# Altium PCB 船驱动板.PcbDoc
Units mil, origin at the board's own origin, x right, y up, seen from the top; angles counter-clockwise.
Board outline 3858.27 x 3858.27 mil, 2 copper layers (Top Layer, Bottom Layer); 37 components, 44 nets, 143 pads, 13 vias.
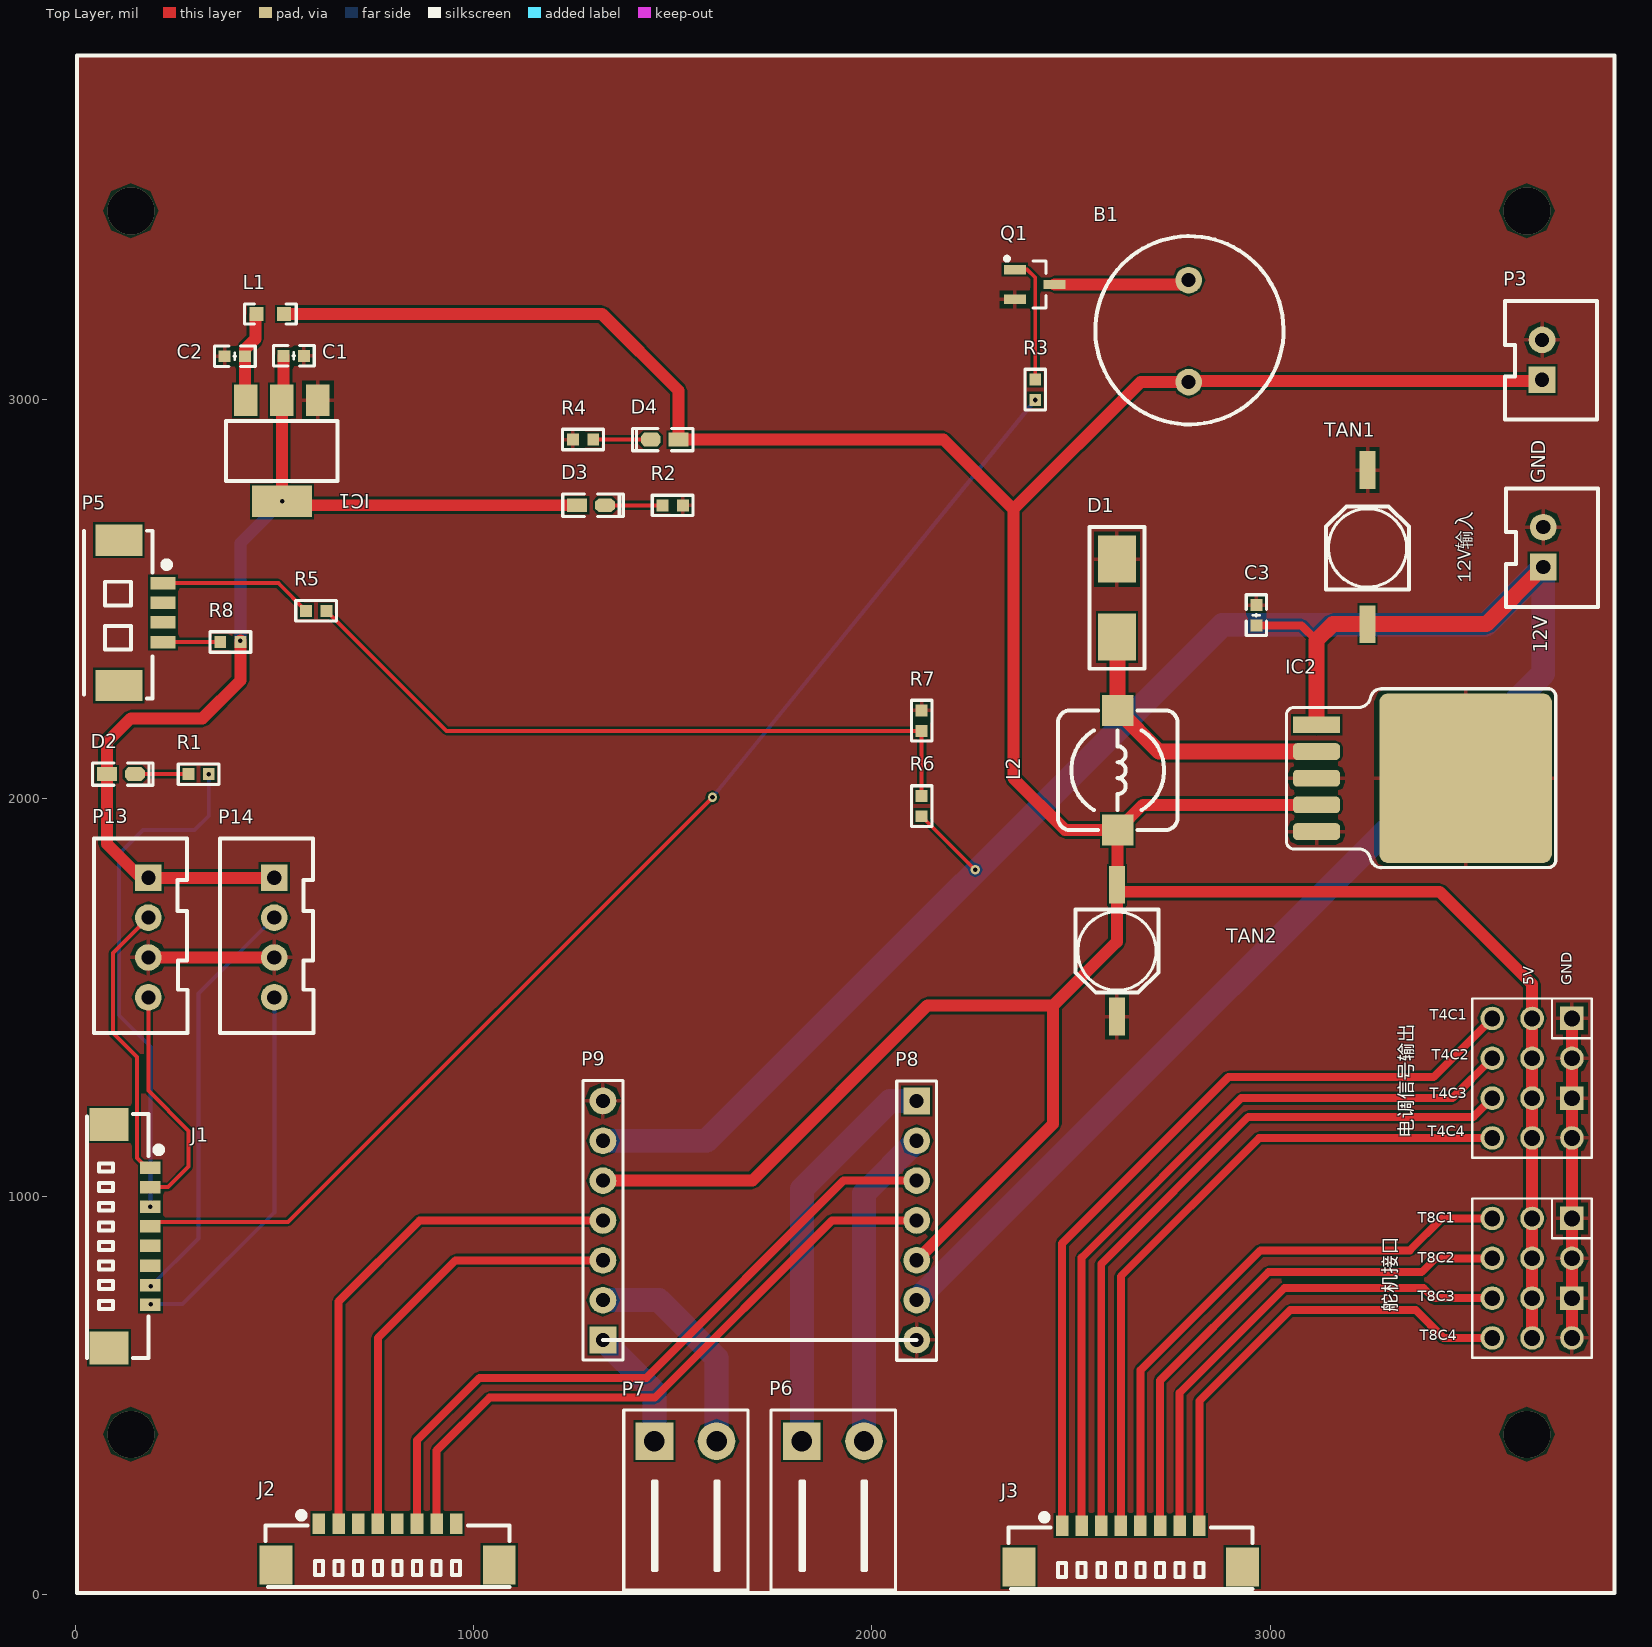
[diagram p0: Top Layer view]
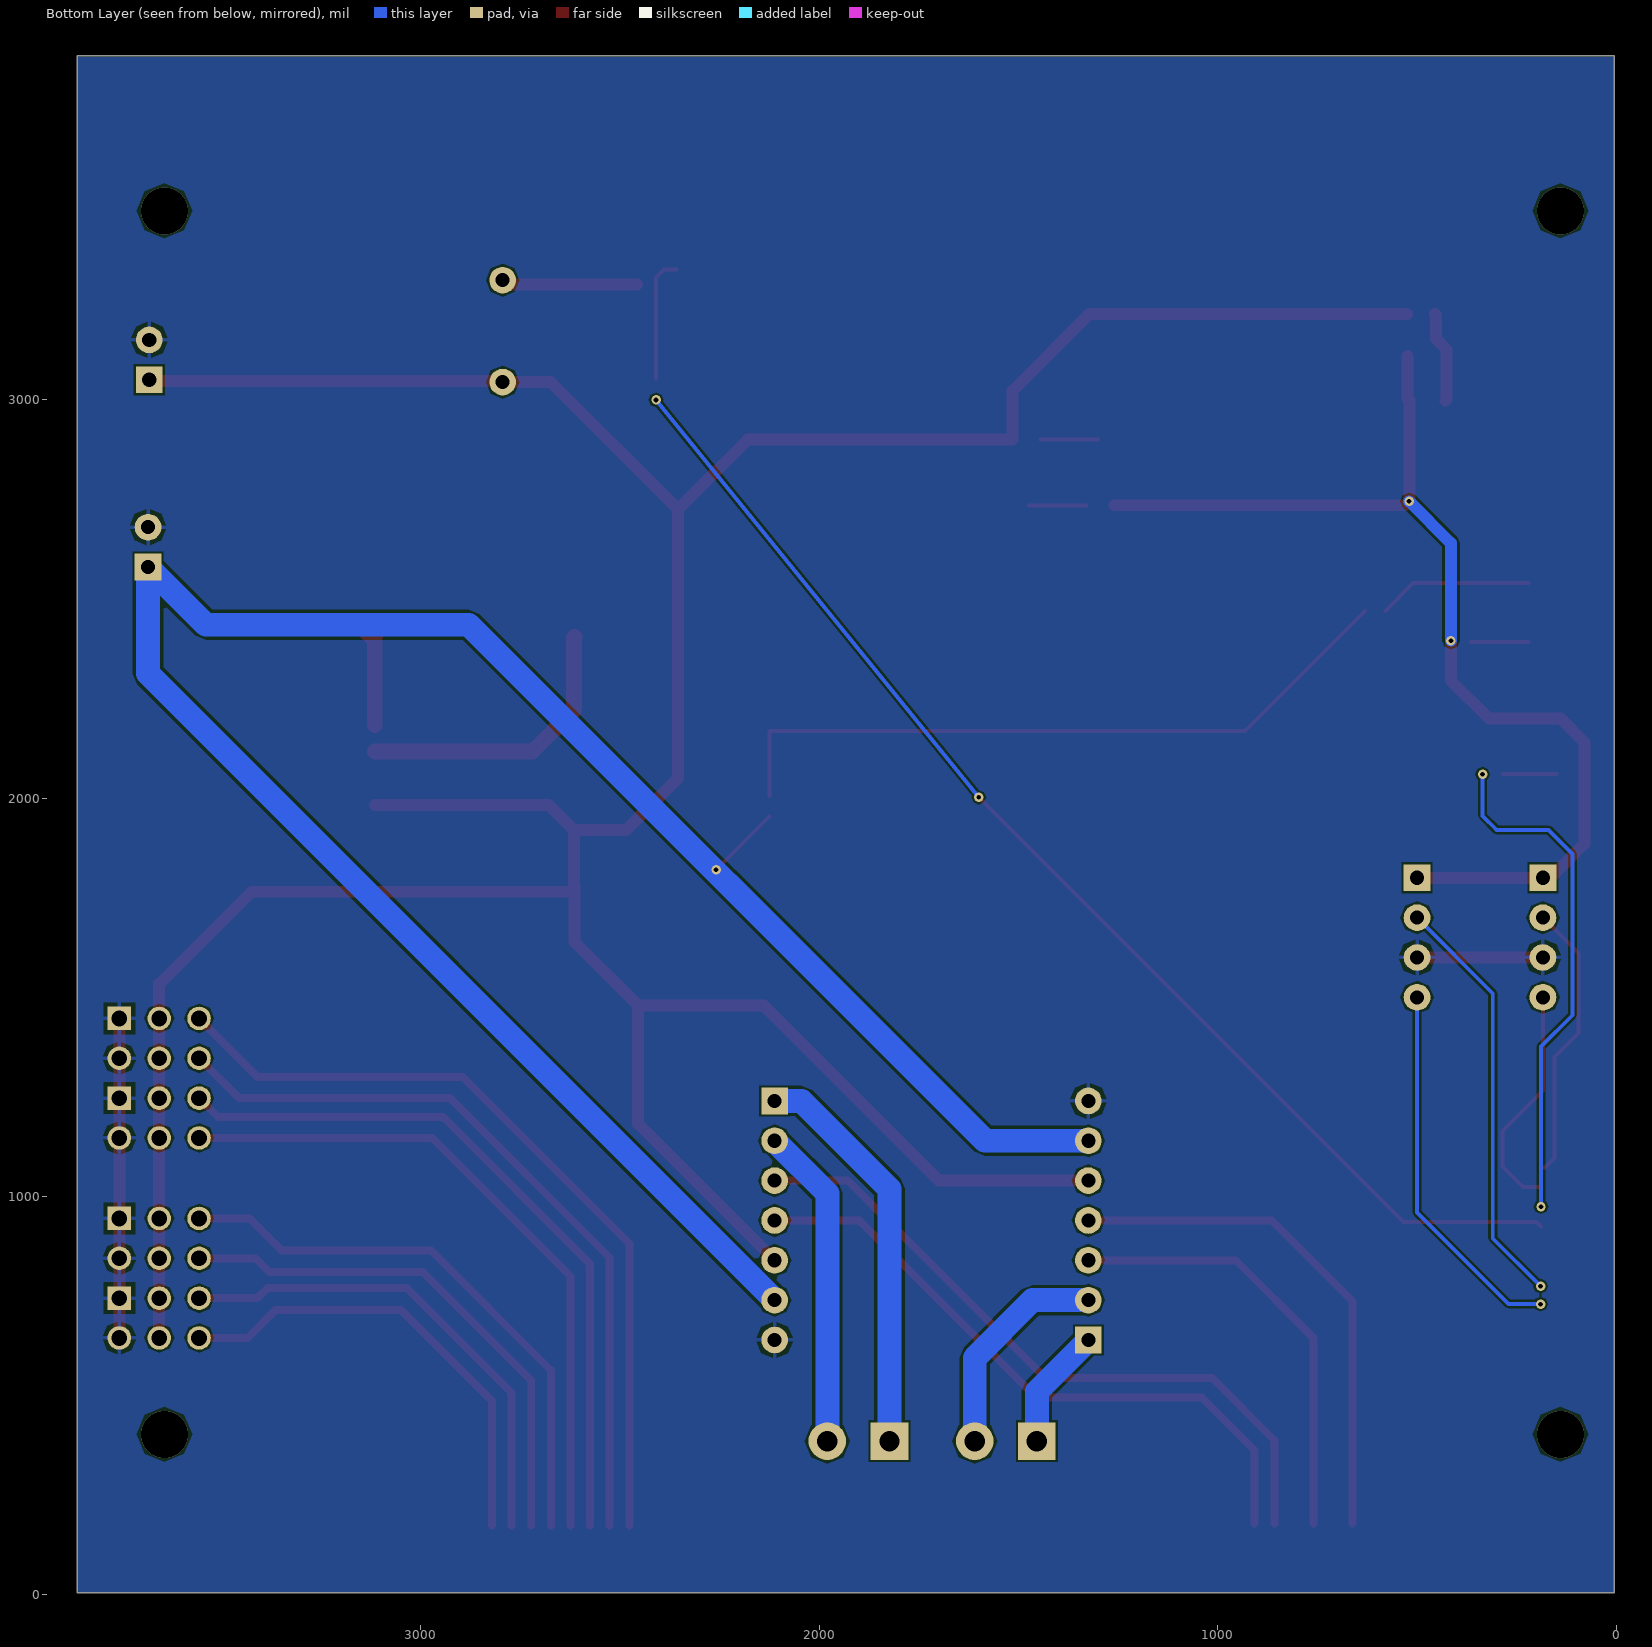
[diagram p1: Bottom Layer view, seen from below]

## Layer stack, top to bottom
Top Solder: solder mask 0.4, Solder Resist, Dk 3.5
Top Layer: signal copper 1.4
Dielectric 1: dielectric 12.6, FR-4, Dk 4.8
Bottom Layer: signal copper 1.4
Bottom Solder: solder mask 0.4, Solder Resist, Dk 3.5

## Board outline
5,5 5,3863.27 3863.27,3863.27 3863.27,5

## Design rules (kind name [scope] priority, off if disabled: settings)
Clearance [All] p1: gap=5 ignorepadtopadclearanceinfootprint=FALSE
PolygonConnect [All] p1: connectstyle=Relief reliefconductorwidth=10 reliefentries=4 polygonreliefangle="90 Angle" airgapwidth=10
RoutingVias [All] p1: holewidth=28 width=50 viastyle="Through Hole" minholewidth=28 minwidth=50 maxholewidth=28 maxwidth=50
SolderMaskExpansion [All] p1: expansion=4
Width [All] p1: maxlimit=900 minlimit=10 preferedwidth=10
30 further rules are at their usual default settings.

## Components (designator, comment, footprint, x,y, rotation, side; value= is the part's Value field where it differs from the comment)
12V输入 "XH2.54" "XH2.54 2P" 3685,2630 r90 top (schematic designator P1)
B1 "Beep" 蜂鸣器 2796,2990.09 r90 top
C1 "104" "C 0603" 550,3110 r180 top
C2 "104" "C 0603" 400,3108.99 r0 top
C3 "105" "C 0603" 2965,2460 r270 top
D1 "1N5820" 1N5824 2622,2414.34 r90 top
D2 "LED" "LED 0603" 115,2060 r0 top
D3 "LED" "LED 0603" 1295,2734.74 r0 top
D4 "LED" "LED 0603" 1480,2900 r180 top
IC1 "AMS1117" SOT-223 520,2870 r180 top
IC2 "XL2596" TO-263-5 3307.99,2055 r270 top
J1 "xm1.25" "MX1.25 8P LS" 100,900 r270 top
J2 "xm1.25" "MX1.25 8P LS" 785,90 r0 top
J3 "xm1.25" "MX1.25 8P LS" 2650,85 r0 top
L1 "10uH" "L 0603" 490,3215 r180 top
L2 "33uh/3A" CDRH74 2620,2070 r270 top
P3 "XH2.54" "XH2.54 2P" 3682,3100 r90 top
P5 "xm1.25" MX1.25 110,2465 r270 top
P6 "HT396K" "HT396 - 2P" 1903.74,385 r0 top
P7 "HT396K" "HT396 - 2P" 1533.74,385 r0 top
P8 "1X7排针" "2.54 1X7Pin" 2112.4,1239.94 r270 top
P9 "1X7排针" "2.54 1X7Pin" 1325,639.94 r90 top
P13 "xh2.54 4Pin" "XH2.54 -4p" 184,1649 r270 top
P14 "xh2.54 4Pin" "XH2.54 -4p" 500,1649 r270 top
Q1 "NPN" SOT-23 2410,3290 r270 top
R1 "10k" "R 0603" 310,2060 r180 top
R2 "10k" "R 0603" 1500,2734.74 r180 top
R3 "10k" "R 0603" 2410,3025 r90 top
R4 "10k" "R 0603" 1275,2900 r0 top
R5 "0" "R 0603" 605,2470 r180 top
R6 "10k" "R 0603" 2125,1980 r90 top
R7 "3.3k" "R 0603" 2125,2194.41 r90 top
R8 "0" "R 0603" 390,2391.72 r180 top
TAN1 "470uF/50V" "10X10.5mm 电解电容" 3245,2600 r90 top
TAN2 "330uF/15V" "8*10.0mm 电解电容" 2615,1665 r270 top
电调信号输出 "3X4排针" "2.54 3X4" 3645,1305 r90 top (schematic designator P11)
舵机接口 "3X4排针" "2.54 3X4" 3645,803 r90 top (schematic designator P12)

## Footprints (in the part's own frame and the unit in brackets; to place one, negate y for a bottom-side part, rotate by r counter-clockwise, add the part's x,y. Pads: shape width x height; smd on the part's side, far side on the other; paste and mask are expansions set on the pad)
1N5824 [mm]
  rect 3x2.4 smd: 1(4.716,0.178) 2(-0.254,0.178)
  silkscreen extent -2.28,-1.57 6.76,1.93
"2.54 1X7Pin" [mm]
  rect 1.7x1.7 hole 0.9: 1(0,0)
  round 1.7 hole 0.9: 2(2.54,0) 3(5.08,0) 4(7.62,0) 5(10.16,0) 6(12.7,0) 7(15.24,0)
  silkscreen extent -1.27,-1.27 16.54,1.27, body extent -1.27,-1.27 16.51,1.27, height 8.5
"2.54 3X4" [mm]
  round 1.5 hole 1: 1(-4.013,2.235) 2(-1.473,2.235) 3(1.067,2.235) 4(3.607,2.235) 5(-4.013,-0.305) 6(-1.473,-0.305) 7(1.067,-0.305) 8(3.607,-0.305) 9(-4.013,-2.845) 11(1.067,-2.845)
  rect 1.5x1.5 hole 1: 10(-1.473,-2.845) 12(3.607,-2.845)
  silkscreen extent -5.28,-4.11 4.88,3.51, body extent -5.24,-4.11 4.84,3.51, height 8.4
"8*10.0mm 电解电容" [mm]
  rect 2.4x1 smd: 1(5.419,0) 2(-2.98,0)
  silkscreen extent -1.41,-2.65 3.89,2.65, body extent -1.78,-2.6 4.12,2.7, height 6
"10X10.5mm 电解电容" [mm]
  rect 2.4x1 smd: 1(5.673,0.025) 2(-4.149,0.025)
  silkscreen extent -1.94,-2.62 3.36,2.68, body extent -2.31,-2.57 3.59,2.73, height 6
"C 0603" [mil]
  rect 30x30 smd: 1(-24.59,0) 2(26.59,0)
  silkscreen extent -50,-26 52,26, body extent -30,-16 33,16, height 32
CDRH74 [mm]
  rect 2x2 smd: 1(-3.81,-0.076) 2(3.81,-0.076)
  silkscreen extent -3.81,-3.89 3.81,3.73, body extent -3.65,-3.73 3.65,3.57, height 4.5
"HT396 - 2P" [mm]
  rect 2.4x2.4 hole 1.3: 1(-2.02,0.025)
  round 2.4 hole 1.3: 2(1.94,0.025)
  silkscreen extent -3.98,-9.47 3.94,2.01, body extent -4,-9.47 3.96,0.53, height 7.45
"L 0603" [mil]
  rect 35x35 smd: 1(-35,0) 2(35,0)
  silkscreen extent -65,-25 65,25, body extent -31,-16 31,16, height 31
"LED 0603" [mil]
  rect 50x35 smd: 1(-35,0.26)
  oct 50x35 smd: 2(35,0.26)
  silkscreen extent -71,-28 81,28, body extent -31,-16 32,16, height 24
MX1.25 [mm]
  rect 2x3 smd: 0(-4.632,0) 0(4.632,0)
  rect 0.8x1.6 smd: 1(-1.889,2.811) 2(-0.639,2.811) 3(0.611,2.811) 4(1.861,2.811)
  silkscreen extent -5.23,-2.23 5.45,3.25, body extent -5.07,-2.1 5.08,3.09, height 3.4
"MX1.25 8P LS" [mm]
  rect 2.1x2.5 smd: 0(-7.132,-0.381) 0(7.104,-0.381)
  rect 0.8x1.3 smd: 1(-4.389,2.261) 2(-3.139,2.261) 3(-1.889,2.261) 4(-0.639,2.261) 5(0.611,2.261) 6(1.861,2.261) 7(3.111,2.261) 8(4.361,2.261)
  silkscreen extent -7.79,-1.78 7.77,2.99, body extent -7.57,-1.6 7.58,2.5, height 4.7
"R 0603" [mil]
  rect 30x30 smd: 1(-25.59,0) 2(25.59,0)
  silkscreen extent -51,-26 51,26, body extent -31,-16 32,16, height 16
SOT-23 [mm]
  rect 0.6x1.4 smd: 1(0.026,1.219) 2(-0.925,-1.295) 3(0.975,-1.295)
  silkscreen extent -1.75,-1.93 1.53,0.67, body extent -1.47,-1.23 1.53,1.17, height 1.05
SOT-223 [mil]
  rect 59x79 smd: 1(-89.55,-128.29) 2(1.01,-128.29) 3(91.56,-128.29)
  rect 150x79 smd: 2(0.34,125.26)
  silkscreen extent -139,-76 141,74, body extent -128,-137 128,137, height 67
TO-263-5 [mm]
  rect 1.07x3 smd: 1(-3.273,-4.877)
  rrect50% 1.07x3 smd: 2(-1.573,-4.877) 3(0.127,-4.877) 4(1.827,-4.877) 5(3.527,-4.877)
  rrect10% 10.8x11 smd: 3(0.127,4.623)
  silkscreen extent -5.58,-6.79 5.83,10.37, body extent -5.01,-4.93 5.21,9.42, height 4.48
"XH2.54 2P" [mm]
  rect 1.7x1.7 hole 0.9: 1(-1.27,0)
  round 1.7 hole 0.9: 2(1.27,0)
  silkscreen extent -3.81,-3.51 3.74,2.37, body extent -3.77,-3.3 3.77,2.4, height 7.05
"XH2.54 -4p" [mm]
  rect 1.7x1.7 hole 0.9: 1(-3.835,0)
  round 1.7 hole 0.9: 2(-1.295,0) 3(1.245,0) 4(3.785,0)
  silkscreen extent -6.32,-3.45 6.05,2.49, body extent -6.34,-3.3 6.28,2.4, height 7.03
蜂鸣器 [mm]
  round 1.7 hole 0.9: 1(1.372,0.025) 2(7.872,0.025)
  silkscreen extent -1.33,-6.02 10.67,5.97

## Part data
12V输入 P3 P6 P7: library part 1X2排针
C1 C2 C3: library part 电容
D1: library part 稳压二极管
D2 D3 D4: "Typical INFRARED GaAs LED", LatestRevisionDate=08-Jul-2005, LatestRevisionNote="Mech Layer 1 removed.", PackageDescription="LED; 2 Leads", PackageReference=LED-0, Published=8-Jun-2000, Publisher="Altium Limited"
IC1: library part AMS1117-3.3
J1 J2 J3: library part 1X8排针
L1 L2: library part 电感
P5 P13 P14: library part 1X4排针
Q1: "NPN Bipolar Transistor", Code_JEDEC=TO-226-AA, LatestRevisionDate=17-Jul-2002, LatestRevisionNote="Re-released for DXP Platform.", PackageDescription="TO, Flat Index; 3 In-Line, Axial Leads; Body Dia. 4.8mm; Leads 0.55 x 0.51 mm (max)", PackageReference=TO-226-AA, Published=8-Jun-2000, Publisher="Altium Limited"
R1 R2 R3 R4 R5 R6 R7 R8: library part Res, "Resistor", LatestRevisionDate=17-Jul-2002, LatestRevisionNote="Re-released for DXP Platform.", PackageDescription="Axial Device, Thru-Hole; 2 Leads; 0.3 in Pin Spacing", PackageReference=AXIAL-0.3, Published=8-Jun-2000, Publisher="Altium Limited"
TAN1 TAN2: library part 极性电容

## Via types
v1: diameter 23.62, hole 11.81, Top Layer to Bottom Layer, tented both sides, 9 vias
v2: diameter 118.11, hole 118.11, Top Layer to Bottom Layer, 4 vias

## Nets (pads, with @x,y where several pads share a name; then routed paths per layer and width w, separated by ;. In a path a pad name is that pad's centre, name@x,y a point inside that pad or via, vN(x,y) a via of type N, cw(c..) or ccw(c..) an arc to the next point about the centre after c; other vN are vias at no path point)
12V: 12V输入.1 C3.2 IC2.1 P8.6 P9.6 R6.1 TAN1.2 | length 6661.9
  Top Layer w10: R6.1 v1(2259.41,1820)
  Top Layer w20: C3.2 3078.56,2433.41 3115.98,2395.98
  Top Layer w40: IC2.1 3115.98,2395.98 3156.67,2436.67 TAN1.2 3541.67,2436.67 12V输入.1
  Bottom Layer w60: P9.6 1584.94,1139.94 2880,2435 3540,2435 12V输入.1 3685,2312.54 P8.6
ADC_10: P5.1 R5.2 | length 387.5
  Top Layer w10: P5.1 510.06,2539.36 R5.2
ADC_11: P5.2
ADC_12: P5.3
ADC_13: P5.4 R8.2 | length 143.8
  Top Layer w10: P5.4 R8.2
EX_IO8: J1.3 R1.1 | length 1288.9
  Top Layer w10: v1(189,974.36) J1.3@189.64,975
  Bottom Layer w10: v1(189,974.36) 189,1376 110,1455 110,1860 170,1920 300,1920 335.59,1955.59 v1(335.59,2060)
EX_IO9: J1.4 R3.1 | length 3141.9
  Top Layer w10: J1.4 199.75,935.89 533.95,935.89 v1(1600,2001.94)
  Bottom Layer w10: v1(1600,2001.94) v1(2410,2999.41)
EX_IO10: J1.5
EX_IO11: J1.6
EX_IO12: J2.1
EX_IO13: J2.3
EX_IO14: J2.5
EX_IO15: J2.8
GND: 12V输入.2 C1.1 C2.1 C3.1 D1.1 IC1.1 IC2.3 IC2.5 P3.2 P8.7 P9.7 P13.3 P14.3 Q1.3 R2.1 R4.1 R7.2 TAN1.1 TAN2.1 电调信号输出.9 电调信号输出.10 电调信号输出.11 电调信号输出.12 舵机接口.9 舵机接口.10 舵机接口.11 舵机接口.12 | length 1118
  Top Layer w30: P13.3 P14.3 ; 舵机接口.9 舵机接口.10 舵机接口.11 舵机接口.12 电调信号输出.9 电调信号输出.10 电调信号输出.11 电调信号输出.12
Motor1_A: P7.1 P9.1 | length 325.2
  Top Layer w60: P7.1@1441.69,398.53 P7.1
  Bottom Layer w60: P9.1 1454.22,510.72 P7.1
Motor1_B: P7.2 P9.2 | length 563.4
  Top Layer w60: P7.2@1603.52,392.6 P7.2
  Bottom Layer w60: P9.2 1465.06,739.94 1610.12,594.88 P7.2
Motor2_A: P6.1 P8.1 | length 1012.8
  Bottom Layer w60: P6.1 1824.22,1019.09 2045.06,1239.94 P8.1
Motor2_B: P6.2 P8.2 | length 808.7
  Bottom Layer w60: P6.2 1980.12,1007.66 P8.2
NetB1_2: B1.2 Q1.1 | length 341.6
  Top Layer w30: Q1.1 2774,3288.99 2785.01,3300 B1.2
NetC2_2: C2.2 IC1.3 L1.2 | length 229.2
  Top Layer w30: IC1.3 426.59,3000.14 C2.2 426.59,3126.59 452.5,3152.5 452.5,3212.5 L1.2
NetD1_2: D1.2 IC2.2 L2.1 | length 726.8
  Top Layer w40: D1.2 2616,2403.34 2616,2221 L2.1 2720.07,2116.93 IC2.2
NetD2_2: D2.2 R1.2 | length 134.5
  Top Layer w10: D2.2 284.16,2060.26 R1.2
NetD3_2: D3.2 R2.2 | length 144.2
  Top Layer w10: D3.2 R2.2@1474.16,2735
NetD4_2: D4.2 R4.2 | length 144.5
  Top Layer w10: R4.2 1300.84,2899.74 D4.2
NetQ1_2: Q1.2 R3.2 | length 312.4
  Top Layer w10: Q1.2 2389.75,3326.4 2410,3306.15 R3.2@2410,3053.18
NetR5_1: R5.1 R6.2 R7.1 | length 1782.4
  Top Layer w10: R5.1 931.78,2168.82 R7.1 R6.2
T1C1: J2.2 P9.4 | length 1305.3
  Top Layer w20: J2.2 661.43,736.43 864.94,939.94 P9.4
T1C2: J2.4 P9.3 | length 1111.8
  Top Layer w20: J2.4 759.85,644.85 954.94,839.94 P9.3
T1C3: J2.6 P8.3 | length 1733.3
  Top Layer w20: J2.6 858.28,388.28 1015,545 1434.07,545 1929,1039.94 P8.3
T1C4: J2.7 P8.4 | length 1627.6
  Top Layer w20: J2.7 907.49,362.49 1040,495 1455,495 1899.94,939.94 P8.4
T3C1: J1.7 P14.2 | length 1053.4
  Bottom Layer w10: v1(190,775) 310,895 310,1510 P14.2
T3C2: J1.8 P14.4 | length 945.3
  Bottom Layer w10: v1(190,730) 270,730 500,960 P14.4
T4C1: J3.1 电调信号输出.4 | length 2021.9
  Top Layer w20: J3.1 2477.22,882.15 2895.06,1300 3410,1300 电调信号输出.4
T4C2: J3.2 电调信号输出.3 | length 1910.3
  Top Layer w20: J3.2 2526.43,846.43 2927,1247 3457,1247 电调信号输出.3
T4C3: J3.3 电调信号输出.2 | length 1810.7
  Top Layer w20: J3.3 2575.64,831 2944.64,1200 3510,1200 电调信号输出.2
T4C4: J3.4 电调信号输出.1 | length 1701.8
  Top Layer w20: J3.4 2624.85,799.85 2972,1147 电调信号输出.1
T5C1: J1.1 P13.2 | length 708.8
  Top Layer w10: P13.2 95,1611 95,1410.24 155,1350.24 155,1096.94 179.16,1072.78 J1.1
T5C2: J1.2 P13.4 | length 584.1
  Top Layer w10: P13.4 184,1266 285,1165 285,1075 233.57,1023.57 J1.2
T8C1: J3.5 舵机接口.4 | length 1430.8
  Top Layer w20: J3.5 2674.07,564.07 2975,865 3350,865 3430,945 舵机接口.4
T8C2: J3.6 舵机接口.3 | length 1325
  Top Layer w20: J3.6 2723.28,538.28 2995,810 3380,810 3415,845 舵机接口.3
T8C3: J3.7 舵机接口.2 | length 1237.1
  Top Layer w20: J3.7 2772.49,507.49 3035,770 3385,770 3410,745 舵机接口.2
T8C4: J3.8 舵机接口.1 | length 1171.6
  Top Layer w20: J3.8 2821.7,486.7 3050,715 3365,715 3435,645 舵机接口.1
VSS3.3: C1.2 D2.1 D3.1 IC1.2 P13.1 P14.1 R8.1 | length 2714.4
  Top Layer w30: v1(415,2395) 415,2295 320,2200 140,2200 80,2140 D2.1 80,1885 165,1800 P13.1 P14.1 ; IC1.2@519.66,2744.74 518.99,2745.41 518.99,2998.29 523.41,3002.7 C1.2 ; v1(520,2745) 530,2735 D3.1
  Bottom Layer w30: v1(415,2395) 415,2640 v1(520,2745)
VSS5: B1.1 D4.1 IC2.4 L1.1 L2.2 P3.1 P8.5 P9.5 TAN2.2 电调信号输出.5 电调信号输出.6 电调信号输出.7 电调信号输出.8 舵机接口.5 舵机接口.6 舵机接口.7 舵机接口.8 | length 9713.9
  Top Layer w30: L1.1 1322.5,3215 1515,3022.5 D4.1 2180.26,2899.74 2355,2725 ; P9.5 1699.94,1039.94 2139.36,1479.36 2455,1479.36 ; P8.5 2455,1182.54 2455,1479.36 ; IC2.4 2680.07,1983.07 L2.2 ; 舵机接口.5 舵机接口.6 舵机接口.7 舵机接口.8 电调信号输出.5 电调信号输出.6 电调信号输出.7 电调信号输出.8 3657,1533 3425,1765 2625.23,1765 TAN2.2@2615,1754.77 ; P3.1 3679.05,3047.05 2797.95,3047.05 B1.1 2674.09,3044.09 2355,2725 ; 2355,2725 2355,2050 2485,1920 L2.2 ; 2455,1479.36 2615,1639.36 TAN2.2@2615,1754.77 ; TAN2.2@2615,1754.77 TAN2.2 2616,1783.33 2616,1919 L2.2
pads on no net: J1.0 J2.0 J3.0 P5.0
copper on no net:
  other v2: 140,403.11 3643.94,403.11 140,3473.98 3643.94,3473.98

## Polygon pours and split planes (outlines as drawn)
GND on Top Layer (solid, pour order 4): 5,3865 3865,3865 3860,3860 3860,5 5,5
GND on Top Layer (solid, pour order 2): 140,3473.98
GND on Bottom Layer (solid, pour order 6): 5,3865 10,3860 3860,3860 3860,10 3865,5 5,5

## Silkscreen, mask and mechanical layers (free items; w line width, h text height)
Top Overlay:
  lines w10: 1325,639.94 2112.4,639.94 ; 5,5 3863.27,5 3863.27,3863.27 5,3863.27 5,5
  text "GND" at 3702,2790 h60 r90
  text "12V" at 3707,2365 h60 r90
  text "5V" at 3670,1530 h45 r90
  text "GND" at 3765,1530 h45 r90
  text "T4C1" at 3400,1435 h45
  text "T4C2" at 3405,1335 h45
  text "T4C3" at 3400,1238 h45
  text "T4C4" at 3395,1143 h45
  text "T8C1" at 3370,925 h45
  text "T8C2" at 3370,825 h45
  text "T8C3" at 3370,728 h45
  text "T8C4" at 3375,630 h45